# KiCad board keyboard.kicad_pcb
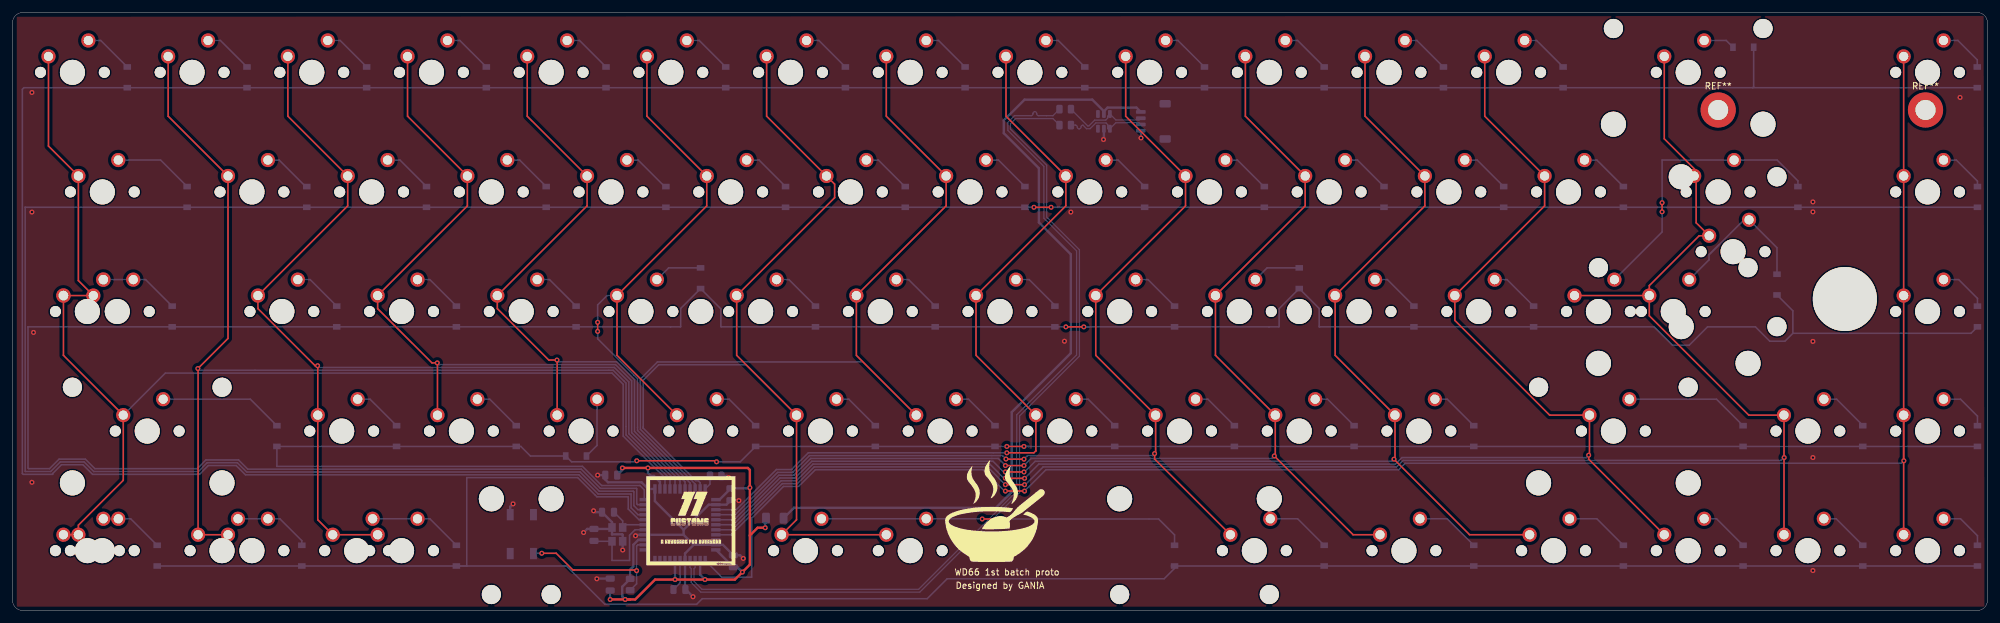
[diagram p0: board, top side]
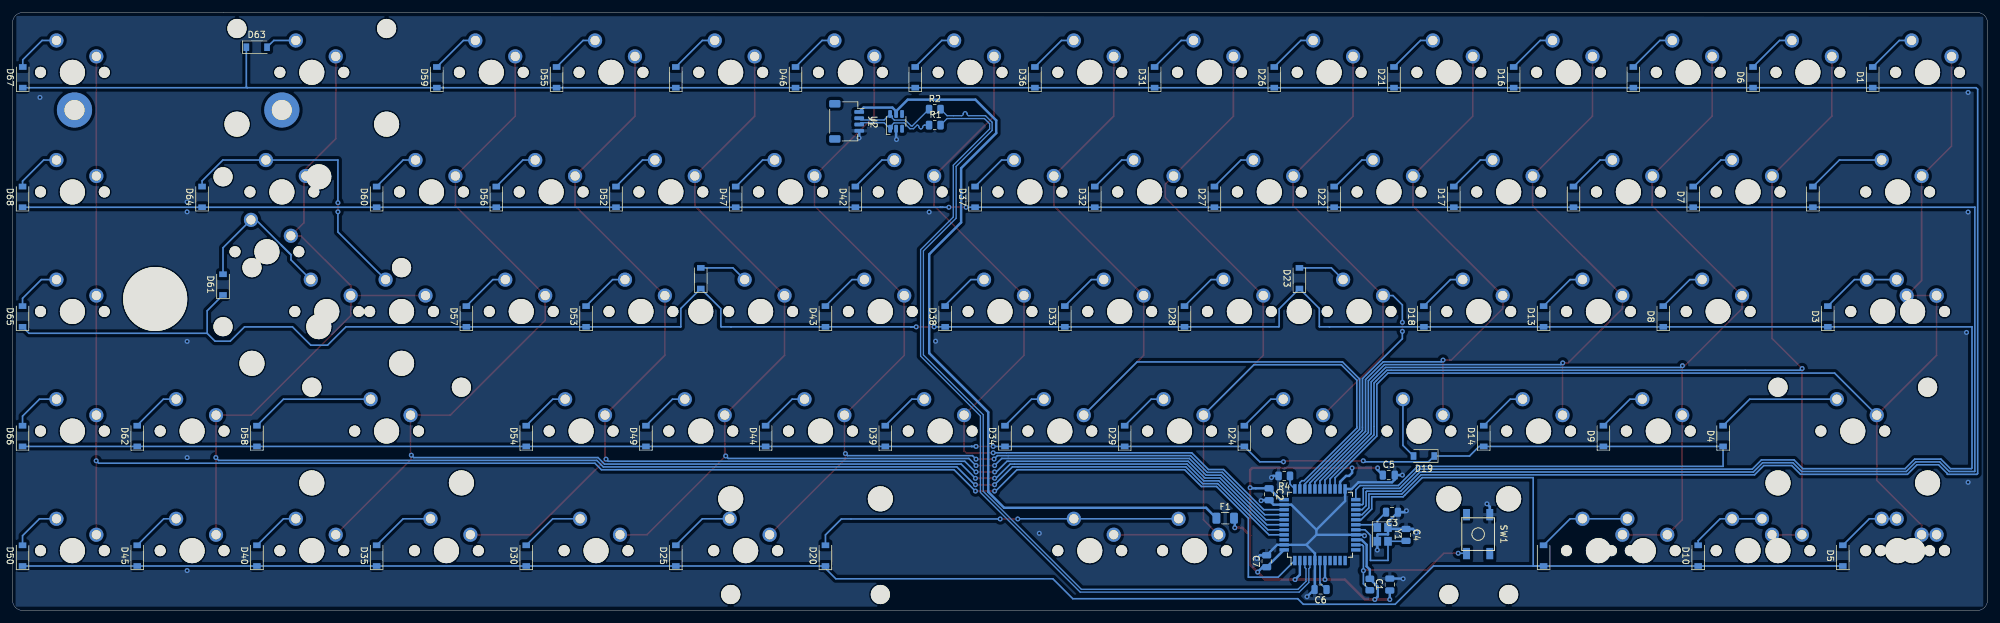
[diagram p1: board, bottom side, seen from below]

Outline 314.32 x 95.25 mm; copper layers: Top, Bottom. Coordinates in mm from the lower left corner of the outline.
Outline path: 0,93.66 arc(0.46,94.79) 1.59,95.25 280.69,95.25 312.74,95.25 arc(313.86,94.79) 314.32,93.66 314.32,1.59 arc(313.86,0.46) 312.74,0 1.59,0 arc(0.46,0.46) 0,1.59 0,93.66
Stack: Top 0.035mm / dielectric 1.51mm FR4 er 4.5 / Bottom 0.035mm

## Placement (name value [footprint] x y rotation side)
C1  0.1uF  [C_0805_2012Metric]  95.12 4.13 90 bottom
C2  0.1uF  [C_0805_2012Metric]  114.33 18.51 270 bottom
C3  22pF  [C_0805_2012Metric]  94.77 15.65 0 bottom
C4  22pF  [C_0805_2012Metric]  92.54 12.03 270 bottom
C5  0.1uF  [C_0805_2012Metric]  95.28 21.56 180 bottom
C6  1uf  [C_0805_2012Metric]  106.14 3.33 0 bottom
C7  10uF  [C_0805_2012Metric]  114.72 7.84 90 bottom
D1  D_Small  [D_SOD-123]  18.26 84.93 90 bottom
D2  D_Small  [D_SOD-123]  27.78 65.88 90 bottom
D3  D_Small  [D_SOD-123]  25.4 46.83 90 bottom
D4  D_Small  [D_SOD-123]  42.07 27.78 90 bottom
D5  D_Small  [D_SOD-123]  23.02 8.73 90 bottom
D6  D_Small  [D_SOD-123]  37.31 84.93 90 bottom
D7  D_Small  [D_SOD-123]  46.83 65.88 90 bottom
D8  D_Small  [D_SOD-123]  51.59 46.83 90 bottom
D9  D_Small  [D_SOD-123]  61.12 27.78 90 bottom
D10  D_Small  [D_SOD-123]  46.04 8.73 90 bottom
D11  D_Small  [D_SOD-123]  56.36 84.93 90 bottom
D12  D_Small  [D_SOD-123]  65.88 65.88 90 bottom
D13  D_Small  [D_SOD-123]  70.64 46.83 90 bottom
D14  D_Small  [D_SOD-123]  80.17 27.78 90 bottom
D15  D_Small  [D_SOD-123]  70.64 8.73 90 bottom
D16  D_Small  [D_SOD-123]  75.41 84.93 90 bottom
D17  D_Small  [D_SOD-123]  84.93 65.88 90 bottom
D18  D_Small  [D_SOD-123]  89.69 46.83 90 bottom
D19  D_Small  [D_SOD-123]  89.69 24.61 0 bottom
D20  D_Small  [D_SOD-123]  184.94 8.73 90 bottom
D21  D_Small  [D_SOD-123]  94.46 84.93 90 bottom
D22  D_Small  [D_SOD-123]  103.98 65.88 90 bottom
D23  D_Small  [D_SOD-123]  109.51 52.93 90 bottom
D24  D_Small  [D_SOD-123]  118.27 27.78 90 bottom
D25  D_Small  [D_SOD-123]  208.76 8.73 90 bottom
D26  D_Small  [D_SOD-123]  113.51 84.93 90 bottom
D27  D_Small  [D_SOD-123]  123.03 65.88 90 bottom
D28  D_Small  [D_SOD-123]  127.79 46.83 90 bottom
D29  D_Small  [D_SOD-123]  137.32 27.78 90 bottom
D30  D_Small  [D_SOD-123]  232.57 8.73 90 bottom
D31  D_Small  [D_SOD-123]  132.56 84.93 90 bottom
D32  D_Small  [D_SOD-123]  142.08 65.88 90 bottom
D33  D_Small  [D_SOD-123]  146.84 46.83 90 bottom
D34  D_Small  [D_SOD-123]  156.37 27.78 90 bottom
D35  D_Small  [D_SOD-123]  256.38 8.73 90 bottom
D36  D_Small  [D_SOD-123]  151.61 84.93 90 bottom
D37  D_Small  [D_SOD-123]  161.13 65.88 90 bottom
D38  D_Small  [D_SOD-123]  165.89 46.83 90 bottom
D39  D_Small  [D_SOD-123]  175.42 27.78 90 bottom
D40  D_Small  [D_SOD-123]  275.43 8.73 90 bottom
D41  D_Small  [D_SOD-123]  170.66 84.93 90 bottom
D42  D_Small  [D_SOD-123]  180.18 65.88 90 bottom
D43  D_Small  [D_SOD-123]  184.94 46.83 90 bottom
D44  D_Small  [D_SOD-123]  194.47 27.78 90 bottom
D45  D_Small  [D_SOD-123]  294.48 8.73 90 bottom
D46  D_Small  [D_SOD-123]  189.71 84.93 90 bottom
D47  D_Small  [D_SOD-123]  199.23 65.88 90 bottom
D48  D_Small  [D_SOD-123]  204.79 52.93 90 bottom
D49  D_Small  [D_SOD-123]  213.52 27.78 90 bottom
D50  D_Small  [D_SOD-123]  312.74 8.73 90 bottom
D51  D_Small  [D_SOD-123]  208.76 84.93 90 bottom
D52  D_Small  [D_SOD-123]  218.28 65.88 90 bottom
D53  D_Small  [D_SOD-123]  223.04 46.83 90 bottom
D54  D_Small  [D_SOD-123]  232.57 27.78 90 bottom
D55  D_Small  [D_SOD-123]  227.74 84.93 90 bottom
D56  D_Small  [D_SOD-123]  237.33 65.88 90 bottom
D57  D_Small  [D_SOD-123]  242.09 46.83 90 bottom
D58  D_Small  [D_SOD-123]  275.43 27.78 90 bottom
D59  D_Small  [D_SOD-123]  246.79 84.93 90 bottom
D60  D_Small  [D_SOD-123]  256.38 65.88 90 bottom
D61  D_Small  [D_SOD-123]  280.83 51.91 90 bottom
D62  D_Small  [D_SOD-123]  294.48 27.78 90 bottom
D63  D_Small  [D_SOD-123]  275.47 89.73 180 bottom
D64  D_Small  [D_SOD-123]  284.16 65.88 90 bottom
D65  D_Small  [D_SOD-123]  312.74 46.83 90 bottom
D66  D_Small  [D_SOD-123]  312.74 27.78 90 bottom
D67  D_Small  [D_SOD-123]  312.71 84.93 90 bottom
D68  D_Small  [D_SOD-123]  312.74 65.88 90 bottom
F1  500mA  [Fuse_1206_3216Metric]  121.32 14.7 180 bottom
G***  -  [LOGO]  156.37 15.88 0 top
G***#2  -  [LOGO]  107.95 14.29 0 top
J1  JST SH 4-pin  [JST_SH_SM04B-SRSS-TB_1x04-1MP_P1.00mm_Horizontal]  181.58 77.92 270 bottom
MX1  MX-NoLED  [MXOnly-1U-NoLED]  9.53 85.72 0 top
MX2  MX-NoLED  [MXOnly-1.5U-NoLED]  14.29 66.68 0 top
MX3  MX-NoLED  [MXOnly-1.75U-NoLED]  16.67 47.62 0 top
MX4  MX-NoLED  [MXOnly-2.25U-NoLED]  21.43 28.57 0 top
MX5  MX-NoLED  [MXOnly-1.25U-NoLED]  11.91 9.52 0 top
MX6  MX-NoLED  [MXOnly-1U-NoLED]  28.58 85.72 0 top
MX7  MX-NoLED  [MXOnly-1U-NoLED]  38.1 66.68 0 top
MX8  MX-NoLED  [MXOnly-1U-NoLED]  42.86 47.62 0 top
MX9  MX-NoLED  [MXOnly-1U-NoLED]  52.39 28.57 0 top
MX10  MX-NoLED  [MXOnly-1U-NoLED]  33.34 9.52 0 top
MX11  MX-NoLED  [MXOnly-1U-NoLED]  47.62 85.72 0 top
MX12  MX-NoLED  [MXOnly-1U-NoLED]  57.15 66.68 0 top
MX13  MX-NoLED  [MXOnly-1U-NoLED]  61.91 47.62 0 top
MX14  MX-NoLED  [MXOnly-1U-NoLED]  71.44 28.57 0 top
MX15  MX-NoLED  [MXOnly-1.25U-NoLED]  54.77 9.52 0 top
MX16  MX-NoLED  [MXOnly-1U-NoLED]  66.67 85.72 0 top
MX17  MX-NoLED  [MXOnly-1U-NoLED]  76.2 66.68 0 top
MX18  MX-NoLED  [MXOnly-1U-NoLED]  80.96 47.62 0 top
MX19  MX-NoLED  [MXOnly-1U-NoLED]  90.49 28.57 0 top
MX20  MX-NoLED  [MXOnly-6.25U-ReversedStabilizers-NoLED]  126.21 9.52 0 top
MX21  MX-NoLED  [MXOnly-1U-NoLED]  85.72 85.72 0 top
MX22  MX-NoLED  [MXOnly-1U-NoLED]  95.25 66.68 0 top
MX23  MX-NoLED  [MXOnly-1U-NoLED]  100.01 47.62 0 top
MX24  MX-NoLED  [MXOnly-1U-NoLED]  109.54 28.57 0 top
MX25  MX-NoLED  [MXOnly-1.25U-NoLED]  197.64 9.52 0 top
MX26  MX-NoLED  [MXOnly-1U-NoLED]  104.78 85.72 0 top
MX27  MX-NoLED  [MXOnly-1U-NoLED]  114.3 66.68 0 top
MX28  MX-NoLED  [MXOnly-1U-NoLED]  119.06 47.62 0 top
MX29  MX-NoLED  [MXOnly-1U-NoLED]  128.59 28.57 0 top
MX30  MX-NoLED  [MXOnly-1.25U-NoLED]  221.46 9.52 0 top
MX31  MX-NoLED  [MXOnly-1U-NoLED]  123.82 85.72 0 top
MX32  MX-NoLED  [MXOnly-1U-NoLED]  133.35 66.68 0 top
MX33  MX-NoLED  [MXOnly-1U-NoLED]  138.11 47.62 0 top
MX34  MX-NoLED  [MXOnly-1U-NoLED]  147.64 28.57 0 top
MX35  MX-NoLED  [MXOnly-1.25U-NoLED]  245.27 9.52 0 top
MX36  MX-NoLED  [MXOnly-1U-NoLED]  142.88 85.72 0 top
MX37  MX-NoLED  [MXOnly-1U-NoLED]  152.4 66.68 0 top
MX38  MX-NoLED  [MXOnly-1U-NoLED]  157.16 47.62 0 top
MX39  MX-NoLED  [MXOnly-1U-NoLED]  166.69 28.57 0 top
MX40  MX-NoLED  [MXOnly-1U-NoLED]  266.7 9.52 0 top
MX41  MX-NoLED  [MXOnly-1U-NoLED]  161.93 85.72 0 top
MX42  MX-NoLED  [MXOnly-1U-NoLED]  171.45 66.68 0 top
MX43  MX-NoLED  [MXOnly-1U-NoLED]  176.21 47.62 0 top
MX44  MX-NoLED  [MXOnly-1U-NoLED]  185.74 28.57 0 top
MX45  MX-NoLED  [MXOnly-1U-NoLED]  285.75 9.52 0 top
MX46  MX-NoLED  [MXOnly-1U-NoLED]  180.97 85.72 0 top
MX47  MX-NoLED  [MXOnly-1U-NoLED]  190.5 66.68 0 top
MX48  MX-NoLED  [MXOnly-1U-NoLED]  195.26 47.62 0 top
MX49  MX-NoLED  [MXOnly-1U-NoLED]  204.79 28.57 0 top
MX50  MX-NoLED  [MXOnly-1U-NoLED]  304.8 9.52 0 top
MX51  MX-NoLED  [MXOnly-1U-NoLED]  200.02 85.72 0 top
MX52  MX-NoLED  [MXOnly-1U-NoLED]  209.55 66.68 0 top
MX53  MX-NoLED  [MXOnly-1U-NoLED]  214.31 47.62 0 top
MX54  MX-NoLED  [MXOnly-1U-NoLED]  223.84 28.57 0 top
MX55  MX-NoLED  [MXOnly-1U-NoLED]  219.07 85.72 0 top
MX56  MX-NoLED  [MXOnly-1U-NoLED]  228.6 66.68 0 top
MX57  MX-NoLED  [MXOnly-1U-NoLED]  233.36 47.62 0 top
MX58  MX-NoLED  [MXOnly-2.25U-NoLED]  254.79 28.57 0 top
MX59  MX-NoLED  [MXOnly-1U-NoLED]  238.12 85.72 0 top
MX60  MX-NoLED  [MXOnly-1U-NoLED]  247.65 66.68 0 top
MX61  MX-NoLED  [MXOnly-2.25U-NoLED]  264.32 47.62 0 top
MX62  MX-NoLED  [MXOnly-1U-NoLED]  285.75 28.57 0 top
MX63  MX-NoLED  [MXOnly-2U-NoLED]  266.7 85.72 0 top
MX64  MX-NoLED  [MXOnly-1.5U-NoLED]  271.46 66.68 0 top
MX65  MX-NoLED  [MXOnly-1U-NoLED]  304.8 47.62 0 top
MX66  MX-NoLED  [MXOnly-1U-NoLED]  304.8 28.57 0 top
MX67  MX-NoLED  [MXOnly-1U-NoLED]  304.8 85.72 0 top
MX68  MX-NoLED  [MXOnly-1U-NoLED]  304.8 66.68 0 top
MX69  MX-NoLED  [MXOnly-1.5U-NoLED]  14.29 9.52 0 top
MX70  MX-NoLED  [MXOnly-1U-NoLED]  38.1 9.52 0 top
MX71  MX-NoLED  [MXOnly-1.5U-NoLED]  61.91 9.52 0 top
MX72  MX-NoLED  [MXOnly-7U-ReversedStabilizers-NoLED]  142.88 9.52 0 top
MX73  MX-NoLED  [SW_MX_1.75u_stp]  11.91 47.62 0 top
MX74  MX-NoLED  [MXOnly-ISO-ReversedStabilizers-NoLED]  273.84 57.15 0 top
MX75  MX-NoLED  [MXOnly-1U-NoLED]  252.41 47.62 0 top
NOREF  -  [unnamed]  109.54 47.62 0 top
NOREF#2  -  [unnamed#2]  291.63 49.61 0 top
NOREF#3  -  [unnamed]  204.79 47.62 0 top
R1  22  [R_0805_2012Metric]  167.54 77.32 180 bottom
R2  22  [R_0805_2012Metric]  167.54 79.86 180 bottom
R3  10k  [R_0805_2012Metric]  98.3 4.13 270 bottom
R4  10k  [R_0805_2012Metric]  111.92 21.43 0 bottom
REF**  -  [MountingHole_3.2mm_M3_DIN965_Pad_TopBottom]  304.47 79.73 0 top
REF**#2  -  [MountingHole_3.2mm_M3_DIN965_Pad_TopBottom]  271.47 79.73 0 top
SW1  SW_Push  [SKQG-1155865]  81.06 12.16 90 bottom
U1  ATmega32U4-A  [TQFP-44_10x10mm_P0.8mm]  106.24 13.65 90 bottom
U2  SRV05-4  [SOT-23-6-routable]  173.7 77.92 90 bottom
Y1  16MHz  [Crystal_SMD_3225-4Pin_3.2x2.5mm]  96.26 12.12 270 bottom

## Library data of the parts
J1 = -: LCSC Part #: C160404
U2 = -: LCSC Part #: C85364

## Footprints (pads in the part's own frame, mm; a bottom-side part is the same pattern mirrored in y, then rotated)
C_0805_2012Metric
  rrect 1x1.45 smd: 1(-0.95,0) 2(0.95,0)
Crystal_SMD_3225-4Pin_3.2x2.5mm
  rect 1.4x1.2 smd: 1(-1.1,-0.85) 2(1.1,-0.85) 3(1.1,0.85) 4(-1.1,0.85)
D_SOD-123
  rect 0.9x1.2 smd: 1(-1.65,0) 2(1.65,0)
Fuse_1206_3216Metric
  rrect 1.25x1.75 smd: 1(-1.4,0) 2(1.4,0)
JST_SH_SM04B-SRSS-TB_1x04-1MP_P1.00mm_Horizontal
  rrect 0.6x1.55 smd: 1(-1.5,2) 2(-0.5,2) 3(0.5,2) 4(1.5,2)
  rrect 1.2x1.8 smd: MP(-2.8,-1.875) MP(2.8,-1.875)
MountingHole_3.2mm_M3_DIN965_Pad_TopBottom
  round 3.6 hole 3.2: 1(0,0)
  round 5.6 smd: 1(0,0)
  round 5.6 smd far side: 1(0,0)
MXOnly-1.5U-NoLED
  round 1.75 hole 1.75 unplated: (-5.08,0) (5.08,0)
  round 3.988 hole 3.988 unplated: (0,0)
  round 2.25 hole 1.47: 1(-3.81,2.54) 2(2.54,5.08)
MXOnly-1.25U-NoLED
  round 1.75 hole 1.75 unplated: (-5.08,0) (5.08,0)
  round 3.988 hole 3.988 unplated: (0,0)
  round 2.25 hole 1.47: 1(-3.81,2.54) 2(2.54,5.08)
MXOnly-1.75U-NoLED
  round 1.75 hole 1.75 unplated: (-5.08,0) (5.08,0)
  round 3.988 hole 3.988 unplated: (0,0)
  round 2.25 hole 1.47: 1(-3.81,2.54) 2(2.54,5.08)
MXOnly-1U-NoLED
  round 1.75 hole 1.75 unplated: (-5.08,0) (5.08,0)
  round 3.988 hole 3.988 unplated: (0,0)
  round 2.25 hole 1.47: 1(-3.81,2.54) 2(2.54,5.08)
MXOnly-2.25U-NoLED
  round 3.048 hole 3.048 unplated: (-11.906,6.985) (11.906,6.985)
  round 3.988 hole 3.988 unplated: (-11.906,-8.255) (0,0) (11.906,-8.255)
  round 1.75 hole 1.75 unplated: (-5.08,0) (5.08,0)
  round 2.25 hole 1.47: 1(-3.81,2.54) 2(2.54,5.08)
MXOnly-2U-NoLED
  round 3.048 hole 3.048 unplated: (-11.906,6.985) (11.906,6.985)
  round 3.988 hole 3.988 unplated: (-11.906,-8.255) (0,0) (11.906,-8.255)
  round 1.75 hole 1.75 unplated: (-5.08,0) (5.08,0)
  round 2.25 hole 1.47: 1(-3.81,2.54) 2(2.54,5.08)
MXOnly-6.25U-ReversedStabilizers-NoLED
  round 3.988 hole 3.988 unplated: (-50,8.255) (0,0) (50,8.255)
  round 3.048 hole 3.048 unplated: (-50,-6.985) (50,-6.985)
  round 1.75 hole 1.75 unplated: (-5.08,0) (5.08,0)
  round 2.25 hole 1.47: 1(-3.81,2.54) 2(2.54,5.08)
MXOnly-7U-ReversedStabilizers-NoLED
  round 3.988 hole 3.988 unplated: (-57.15,8.255) (0,0) (57.15,8.255)
  round 3.048 hole 3.048 unplated: (-57.15,-6.985) (57.15,-6.985)
  round 1.75 hole 1.75 unplated: (-5.08,0) (5.08,0)
  round 2.25 hole 1.47: 1(-3.81,2.54) 2(2.54,5.08)
MXOnly-ISO-ReversedStabilizers-NoLED
  round 3.988 hole 3.988 unplated: (-8.255,11.938) (-8.255,-11.938) (0,0)
  round 1.75 hole 1.75 unplated: (-5.08,0) (5.08,0)
  round 3.048 hole 3.048 unplated: (6.985,11.938) (6.985,-11.938)
  round 2.25 hole 1.47: 1(-3.81,2.54) 2(2.54,5.08)
R_0805_2012Metric
  rrect 1.025x1.4 smd: 1(-0.912,0) 2(0.912,0)
SKQG-1155865
  rect 1.8x1.1 smd: 1(3.1,-1.85) 2(-3.1,1.85) 3(3.1,1.85) 4(-3.1,-1.85)
SOT-23-6-routable
  rrect 1.25x0.6 smd: 1(-1.175,0.95) 2(-1.175,0) 3(-1.175,-0.95) 4(1.175,-0.95) 5(1.175,0) 6(1.175,0.95)
SW_MX_1.75u_stp
  round 1.75 hole 1.75 unplated: (-5.08,0) (5.08,0)
  round 3.988 hole 3.988 unplated: (0,0)
  round 2.3 hole 1.524: 1(-3.81,2.54) 2(2.54,5.08)
TQFP-44_10x10mm_P0.8mm
  rect 1.5x0.55 smd: 1(-5.7,4) 2(-5.7,3.2) 3(-5.7,2.4) 4(-5.7,1.6) 5(-5.7,0.8) 6(-5.7,0) 7(-5.7,-0.8) 8(-5.7,-1.6) 9(-5.7,-2.4) 10(-5.7,-3.2) 11(-5.7,-4) 23(5.7,-4) 24(5.7,-3.2) 25(5.7,-2.4) 26(5.7,-1.6) 27(5.7,-0.8) 28(5.7,0) 29(5.7,0.8) 30(5.7,1.6) 31(5.7,2.4) 32(5.7,3.2) 33(5.7,4)
  rect 0.55x1.5 smd: 12(-4,-5.7) 13(-3.2,-5.7) 14(-2.4,-5.7) 15(-1.6,-5.7) 16(-0.8,-5.7) 17(0,-5.7) 18(0.8,-5.7) 19(1.6,-5.7) 20(2.4,-5.7) 21(3.2,-5.7) 22(4,-5.7) 34(4,5.7) 35(3.2,5.7) 36(2.4,5.7) 37(1.6,5.7) 38(0.8,5.7) 39(0,5.7) 40(-0.8,5.7) 41(-1.6,5.7) 42(-2.4,5.7) 43(-3.2,5.7) 44(-4,5.7)
unnamed
  round 3.988 hole 3.988 unplated: (0,0)
unnamed#2
  round 10.2 hole 10.2 unplated: (0,0)

## Nets
+5V: C1.1 C2.1 C5.1 C7.1 F1.2 R3.1 U1.2 U1.7 U1.14 U1.24 U1.34 U1.44
GND: C1.2 C2.2 C3.1 C4.1 C5.2 C6.2 C7.2 J1.4 R4.2 SW1.1 U1.5 U1.15 U1.23 U1.35 U1.43 U2.2 Y1.2 Y1.4
VBUS: F1.1 J1.1 U2.5
COL0: MX1.1 MX2.1 MX3.1 MX4.1 MX5.1 MX69.1 MX73.1 U1.25
COL1: MX6.1 MX7.1 MX10.1 MX70.1 U1.26
COL2: MX8.1 MX9.1 MX11.1 MX12.1 MX15.1 MX71.1 U1.27
COL3: MX13.1 MX14.1 MX16.1 MX17.1 U1.28
COL4: MX18.1 MX19.1 MX21.1 MX22.1 U1.29
COL5: MX23.1 MX24.1 MX26.1 MX27.1 U1.30
COL6: MX20.1 MX28.1 MX29.1 MX31.1 MX32.1 MX72.1 U1.32
COL7: MX33.1 MX34.1 MX36.1 MX37.1 U1.31
COL8: MX38.1 MX39.1 MX41.1 MX42.1 U1.36
COL9: MX25.1 MX43.1 MX44.1 MX46.1 MX47.1 U1.37
COL10: MX30.1 MX48.1 MX49.1 MX51.1 MX52.1 U1.38
COL11: MX35.1 MX53.1 MX54.1 MX55.1 MX56.1 U1.39
COL12: MX40.1 MX57.1 MX58.1 MX59.1 MX60.1 U1.40
COL13: MX45.1 MX61.1 MX62.1 MX63.1 MX64.1 MX74.1 MX75.1 U1.41
COL14: MX50.1 MX65.1 MX66.1 MX67.1 MX68.1 U1.1
D+: J1.3 R1.1 R1.2 U1.4 U2.1
D-: J1.2 R2.1 R2.2 U1.3 U2.6
ROW0: D1.1 D6.1 D11.1 D16.1 D21.1 D26.1 D31.1 D36.1 D41.1 D46.1 D51.1 D55.1 D59.1 D63.1 D67.1 U1.19
ROW1: D2.1 D7.1 D12.1 D17.1 D22.1 D27.1 D32.1 D37.1 D42.1 D47.1 D52.1 D56.1 D60.1 D64.1 D68.1 U1.20
ROW2: D3.1 D8.1 D13.1 D18.1 D23.1 D28.1 D33.1 D38.1 D43.1 D48.1 D53.1 D57.1 D61.1 D65.1 U1.21
ROW3: D4.1 D9.1 D14.1 D19.1 D24.1 D29.1 D34.1 D39.1 D44.1 D49.1 D54.1 D58.1 D62.1 D66.1 U1.22
ROW4: D5.1 D10.1 D15.1 D20.1 D25.1 D30.1 D35.1 D40.1 D45.1 D50.1 U1.18
Net-(D1-A): D1.2 MX1.2
Net-(D2-A): D2.2 MX2.2
Net-(D3-A): D3.2 MX3.2 MX73.2
Net-(D4-A): D4.2 MX4.2
Net-(D5-A): D5.2 MX5.2 MX69.2
Net-(D6-A): D6.2 MX6.2
Net-(D7-A): D7.2 MX7.2
Net-(D8-A): D8.2 MX8.2
Net-(D9-A): D9.2 MX9.2
Net-(D10-A): D10.2 MX10.2 MX70.2
Net-(D11-A): D11.2 MX11.2
Net-(D12-A): D12.2 MX12.2
Net-(D13-A): D13.2 MX13.2
Net-(D14-A): D14.2 MX14.2
Net-(D15-A): D15.2 MX15.2 MX71.2
Net-(D16-A): D16.2 MX16.2
Net-(D17-A): D17.2 MX17.2
Net-(D18-A): D18.2 MX18.2
Net-(D19-A): D19.2 MX19.2
Net-(D20-A): D20.2 MX20.2 MX72.2
Net-(D21-A): D21.2 MX21.2
Net-(D22-A): D22.2 MX22.2
Net-(D23-A): D23.2 MX23.2
Net-(D24-A): D24.2 MX24.2
Net-(D25-A): D25.2 MX25.2
Net-(D26-A): D26.2 MX26.2
Net-(D27-A): D27.2 MX27.2
Net-(D28-A): D28.2 MX28.2
Net-(D29-A): D29.2 MX29.2
Net-(D30-A): D30.2 MX30.2
Net-(D31-A): D31.2 MX31.2
Net-(D32-A): D32.2 MX32.2
Net-(D33-A): D33.2 MX33.2
Net-(D34-A): D34.2 MX34.2
Net-(D35-A): D35.2 MX35.2
Net-(D36-A): D36.2 MX36.2
Net-(D37-A): D37.2 MX37.2
Net-(D38-A): D38.2 MX38.2
Net-(D39-A): D39.2 MX39.2
Net-(D40-A): D40.2 MX40.2
Net-(D41-A): D41.2 MX41.2
Net-(D42-A): D42.2 MX42.2
Net-(D43-A): D43.2 MX43.2
Net-(D44-A): D44.2 MX44.2
Net-(D45-A): D45.2 MX45.2
Net-(D46-A): D46.2 MX46.2
Net-(D47-A): D47.2 MX47.2
Net-(D48-A): D48.2 MX48.2
Net-(D49-A): D49.2 MX49.2
Net-(D50-A): D50.2 MX50.2
Net-(D51-A): D51.2 MX51.2
Net-(D52-A): D52.2 MX52.2
Net-(D53-A): D53.2 MX53.2
Net-(D54-A): D54.2 MX54.2
Net-(D55-A): D55.2 MX55.2
Net-(D56-A): D56.2 MX56.2
Net-(D57-A): D57.2 MX57.2
Net-(D58-A): D58.2 MX58.2
Net-(D59-A): D59.2 MX59.2
Net-(D60-A): D60.2 MX60.2
Net-(D61-A): D61.2 MX61.2 MX74.2
Net-(D62-A): D62.2 MX62.2
Net-(D63-A): D63.2 MX63.2
Net-(D64-A): D64.2 MX64.2 MX75.2
Net-(D65-A): D65.2 MX65.2
Net-(D66-A): D66.2 MX66.2
Net-(D67-A): D67.2 MX67.2
Net-(D68-A): D68.2 MX68.2
Net-(U1-UCAP): C6.1 U1.6
Net-(U1-XTAL1): C3.2 U1.17 Y1.1
Net-(U1-XTAL2): C4.2 U1.16 Y1.3
Net-(U1-~{HWB}/PE2): R4.1 U1.33
Net-(U1-~{RESET}): R3.2 SW1.2 U1.13

Pads without a net: J1 MP; REF** 1; REF**#2 1; SW1 3 4; U1 8 9 10 11 12 42; U2 3 4

## Via types
v1: diameter 0.8, hole 0.4, Top to Bottom, 74 vias

## Routing (per net, layer and track width the routed paths; a pad name or vN(x,y) marks a point on that pad's centre or on a via; arc(x,y) is an arc through that point)
+5V: length 102.7
  Top w0.38: 117.35,11.94 v1(117.35,19.56) 117.35,22.38 117.03,22.7 v1(101.12,22.7) v1(97.06,22.7) ; 117.35,11.94 117.35,7.3 114.97,4.92 v1(110.2,4.92) v1(105.44,4.92) 102.27,4.92 99.09,1.75 98.3,1.75 ; 117.35,11.94 118.59,13.18 v1(119.79,13.18) ; 98.3,1.75 v1(95.12,1.75) ; 98.3,1.75 v1(97.5,1.75)
  Bottom w0.38: U1.14 99.6,11.25 98.81,10.46 98.81,7.02 98.3,6.51 R3.1 97.03,3.77 97.03,2.22 v1(97.5,1.75) ; v1(119.79,13.18) 119.79,14.58 F1.2 ; U1.44 111.96,9.65 C7.1 115.38,6.89 v1(116.16,6.11) ; U1.24 103.04,20.48 102.09,21.43 101.6,21.43 101.12,21.91 v1(101.12,22.7) ; C1.1 v1(95.12,1.75) ; v1(97.06,22.7) 97.06,22.39 96.23,21.56 ; v1(117.35,19.56) 117.25,19.46 C2.1 112.52,17.65 U1.34 ; U1.2 109.44,5.69 v1(110.2,4.92) ; v1(105.44,4.92) 105.44,4.93 U1.7
GND: length 82.1
  Bottom w0.38: U1.5 107.04,9.08 108.41,10.45 ; U1.5 107.04,8.15 107.03,8.16 ; U1.5 107.04,3.39 C6.2 107.16,3.33 v1(108.3,2.19) ; v1(179.61,75.27) 179.58,75.31 J1.4 ; Y1.2 97.11,12.04 97.02,12.13 95.42,12.13 95.41,12.14 Y1.4 ; Y1.2 97.46,11.37 ; Y1.2 v1(97.11,9.62) ; Y1.4 95.17,12.98 C4.1 91.45,12.98 v1(90.89,12.41) ; Y1.4 95.41,14.06 C3.1 92.7,15.65 v1(92.48,15.88) ; v1(93.12,21.56) C5.2 94.33,20.86 94.77,20.42 100.11,20.42 101.17,19.35 U1.23 102.24,17.42 106.81,12.85 ; v1(173.64,75.03) 173.7,75.09 U2.2 ; 108.41,10.45 106.81,12.05 ; 108.41,10.45 U1.43 113.06,10.45 C7.2 115.8,8.79 v1(116.3,8.29) ; v1(115.6,17.49) 115.54,17.56 C2.2 113.62,16.85 U1.35 110.81,16.85 106.81,12.85 ; v1(93,5.05) 93.03,5.08 C1.2 ; 106.81,12.05 106.81,12.85 ; 106.81,12.05 U1.15 99.3,12.05 v1(99.15,11.9) ; SW1.1 79.21,16.53 v1(79.66,16.99) ; v1(113.95,21.18) 113.7,21.43 R4.2
  vias: v1(3.08,82.52) v1(3.08,63.47) v1(3.08,20.42) v1(3.33,44.29) v1(150.91,12.29) v1(167.42,42.89) v1(168.43,63.47) v1(286.54,65.09) v1(286.54,63.5) v1(286.54,42.86) v1(286.54,24.35) v1(286.54,6.35) v1(309.97,81.73)
VBUS: length 130.5
  Bottom w0.38: F1.1 124.37,16.35 156.5,16.35 159.04,18.89 159.04,31.59 168.43,40.99 168.43,56.74 163.35,61.82 163.35,70.45 157.77,76.04 157.77,78.07 161.07,81.38 171.86,81.38 173.7,79.53 ; 173.7,79.53 U2.5 ; 173.7,79.53 174.28,80.11 178.89,80.11 J1.1
COL0: length 196.2
  Top w0.25: MX5.1 MX69.1 10.48,13.59 17.62,20.73 MX4.1 8.1,40.64 MX73.1 MX3.1 10.48,52.55 MX2.1 5.72,73.98 MX1.1
  Bottom w0.25: U1.25 103.84,21.13 97.19,27.78 97.19,36.04 95.41,37.81 24.32,37.81 MX4.1 17.12,31.12
COL1: length 176.3
  Top w0.25: MX70.1 MX10.1 29.53,38.51 v1(29.5,38.54) 34.29,43.33 MX7.1 24.77,78.74 MX6.1
  Bottom w0.25: 29.53,12.56 MX10.1 ; U1.26 104.64,20.97 97.64,27.97 97.64,36.22 95.59,38.26 29.77,38.26 v1(29.5,38.54)
COL2: length 169.6
  Top w0.25: MX71.1 MX15.1 48.58,14.45 MX9.1 48.58,38.96 v1(48.55,38.99) 48.15,38.99 39.05,48.09 MX8.1 53.34,64.45 MX12.1 43.81,78.74 MX11.1
  Bottom w0.25: v1(48.55,38.99) 48.82,38.71 95.78,38.71 98.09,36.41 98.09,28.15 105.44,20.8 U1.27 ; MX9.1 48.08,31.12
COL3: length 125.9
  Top w0.25: MX17.1 72.39,64.45 MX13.1 58.1,48.09 66.75,39.44 v1(67.6,39.44) 67.63,39.41 MX14.1 ; MX17.1 71.89,69.21 ; MX17.1 62.86,78.74 MX16.1
  Bottom w0.25: v1(67.6,39.44) 67.87,39.16 95.97,39.16 98.54,36.59 98.54,28.34 106.24,20.64 U1.28 ; 71.28,69.21 MX17.1 ; 57.78,50.16 MX13.1
COL4: length 107.7
  Top w0.25: MX22.1 81.91,78.74 MX21.1 ; MX22.1 90.94,69.21 ; MX22.1 91.44,64.45 MX18.1 77.15,48.09 85.35,39.89 v1(86.65,39.89) 86.68,39.86 MX19.1
  Bottom w0.25: v1(86.65,39.89) 86.92,39.61 96.15,39.61 98.98,36.78 98.98,28.53 107.04,20.48 U1.29 ; 90.33,69.21 MX22.1
COL5: length 110.1
  Top w0.25: MX24.1 96.2,40.64 MX23.1 110.49,64.45 MX27.1 100.97,78.74 MX26.1 ; v1(93.12,44.46) v1(93.12,45.91)
  Bottom w0.25: U1.30 107.84,20.31 99.47,28.67 99.47,36.93 93.12,43.28 v1(93.12,44.46) ; MX23.1 94.61,50.16 93.12,48.68 v1(93.12,45.91)
COL6: length 159.5
  Top w0.25: MX31.1 120.01,78.74 MX32.1 ; MX32.1 130.84,67.91 130.84,65.75 MX28.1 115.25,40.64 MX29.1 124.78,14.45 MX20.1 MX72.1 ; MX32.1 129.04,69.21
  Bottom w0.25: 100.37,29.05 100.37,29.31 ; 100.37,29.05 108.75,20.67 109.12,20.67 109.44,20.35 U1.32 ; 100.37,29.05 100.37,36.68 102.83,39.14 116.75,39.14 MX29.1
COL7: length 142
  Top w0.25: MX37.1 148.59,64.45 MX33.1 134.3,40.64 MX34.1 ; MX37.1 148.09,69.21 ; MX37.1 139.06,78.74 MX36.1
  Bottom w0.25: U1.31 108.64,20.15 99.92,28.86 99.92,36.87 102.65,39.59 135.35,39.59 MX34.1 144.46,30.48
COL8: length 131.5
  Top w0.25: v1(158.25,25.11) 162.55,25.11 162.88,25.44 MX39.1 153.35,40.64 MX38.1 167.64,64.45 MX42.1 158.12,78.74 MX41.1
  Bottom w0.25: U1.36 115.18,16.05 121.58,22.45 123.98,22.45 126.65,25.11 v1(158.25,25.11)
COL9: length 169.9
  Top w0.25: MX46.1 177.16,78.74 MX47.1 ; v1(158.11,24.12) 158.14,24.1 v1(160.98,24.1) ; MX47.1 186.19,69.21 ; MX47.1 186.69,64.45 MX43.1 172.4,40.64 MX44.1 181.93,25.15 v1(181.77,24.99) 181.77,24.13 MX25.1
  Bottom w0.25: U1.37 115.02,15.25 121.77,22 124.17,22 126.84,24.66 157.57,24.66 v1(158.11,24.12) ; v1(160.98,24.1) 161.54,24.66 181.45,24.66 v1(181.77,24.99)
COL10: length 194.3
  Top w0.25: v1(158.02,23.08) v1(160.98,23.08) ; MX52.1 196.22,78.74 MX51.1 ; MX52.1 205.24,69.21 ; MX52.1 205.74,64.45 MX48.1 191.45,40.64 MX49.1 200.98,24.76 v1(200.82,24.61) 213.36,12.06 MX30.1
  Bottom w0.25: v1(160.98,23.08) 160.98,23.08 162.12,24.22 200.43,24.22 v1(200.82,24.61) ; U1.38 114.86,14.45 121.95,21.55 124.36,21.55 127.02,24.22 156.89,24.22 v1(158.02,23.08) ; MX49.1 201.14,30.96
COL11: length 218.3
  Top w0.25: MX35.1 231.9,12.06 v1(219.87,24.1) 220.03,24.26 MX54.1 210.5,40.64 MX53.1 224.79,64.45 MX56.1 215.26,78.74 MX55.1 ; v1(158.02,22.07) v1(160.98,22.07)
  Bottom w0.25: v1(219.87,24.1) 219.54,23.77 162.77,23.77 161.07,22.07 v1(160.98,22.07) ; U1.39 114.69,13.65 122.14,21.1 124.54,21.1 127.21,23.77 156.05,23.77 157.75,22.07 v1(158.02,22.07)
COL12: length 250.4
  Top w0.25: v1(158.02,21.07) 158.04,21.05 v1(161.07,21.05) ; MX60.1 243.34,69.21 ; MX60.1 243.84,64.45 MX57.1 229.55,46.21 244.65,31.12 MX58.1 250.98,24.86 v1(250.86,24.73) 250.86,24.1 MX40.1 ; MX60.1 234.31,78.74 MX59.1
  Bottom w0.25: v1(250.86,24.73) 250.48,24.35 221.15,24.35 220.11,23.32 163.33,23.32 161.07,21.05 v1(161.07,21.05) ; 262.89,12.54 MX40.1 ; v1(158.02,21.07) 157.79,21.07 155.54,23.32 127.4,23.32 124.73,20.65 122.32,20.65 114.53,12.85 U1.40
COL13: length 285.3
  Top w0.25: MX61.1 260.51,46.94 276.34,31.12 MX62.1 281.94,24.38 v1(281.97,24.35) 281.94,24.32 MX45.1 ; MX61.1 260.51,51.76 268.44,59.69 MX74.1 267.96,61.77 267.96,68.91 ; MX61.1 MX75.1 ; 267.96,69.21 267.96,70.07 262.89,75.14 MX63.1 ; v1(158.02,20.03) v1(161.07,20.03)
  Bottom w0.25: v1(281.97,24.35) 281.52,23.9 221.33,23.9 220.3,22.87 164.03,22.87 161.19,20.03 v1(161.07,20.03) ; v1(158.02,20.03) 155.19,22.87 127.58,22.87 124.91,20.2 122.51,20.2 114.36,12.05 U1.41
COL14: length 291.4
  Top w0.25: MX67.1 MX50.1 ; v1(301.02,23.84) 300.99,23.88 MX66.1 ; v1(158.02,19.02) v1(161.07,19.02)
  Bottom w0.25: v1(158.02,19.02) 157.86,19.02 154.46,22.42 127.77,22.42 125.1,19.75 122.7,19.75 117.63,14.69 117.63,5.3 112.89,5.3 U1.1 ; v1(301.02,23.84) 300.63,23.45 221.64,23.45 220.6,22.42 164.48,22.42 161.08,19.02 v1(161.07,19.02)
D+: length 152.6
  Bottom w0.2: J1.3 179.3,77.69 175.6,77.69 U2.1 174.3,76.74 174.3,77.4 174.04,77.67 172.42,77.67 171.49,76.74 170.94,76.74 170.36,77.32 arc(170.15,77.23) 170.06,77.02 arc(169.97,76.81) 169.76,76.72 arc(169.55,76.81) 169.46,77.02 arc(169.37,77.23) 169.16,77.32 R1.1 ; U1.4 107.84,6.83 108.01,6.65 108.01,4.45 109.54,2.92 144.4,2.92 160.28,18.8 160.28,30.99 169.8,40.52 169.8,57.47 164.59,62.67 164.59,70.93 158.81,76.71 158.81,77.53 159.65,78.36 165.58,78.36 R1.2
D-: length 152.6
  Bottom w0.2: R2.2 165.58,78.81 163.3,78.81 arc(163.09,78.9) 163,79.11 163,79.17 arc(162.92,79.38) 162.7,79.47 arc(162.49,79.38) 162.4,79.17 162.4,79.11 arc(162.32,78.9) 162.1,78.81 159.46,78.81 158.41,77.77 158.41,76.47 164.14,70.74 164.14,62.49 169.35,57.28 169.35,40.7 159.83,31.18 159.83,18.98 144.21,3.37 109.73,3.37 108.46,4.63 108.46,6.65 108.64,6.83 U1.3 ; J1.2 179.3,78.14 175.6,78.14 U2.6 174.3,78.74 174.3,78.43 173.99,78.12 172.23,78.12 171.3,77.19 171.12,77.19 R2.1
ROW0: length 484.5
  Bottom w0.25: D63.1 277.12,83.43 276.97,83.28 ; 276.97,83.28 D1.1 1.81,83.28 1.56,83.03 1.56,21.81 1.68,21.69 6.38,21.69 6.38,21.81 7.78,23.21 11.21,23.21 12.73,21.69 29.75,21.69 31.15,23.08 35.59,23.08 37.07,21.61 90.14,21.61 93.2,18.55 98.45,18.55 98.45,16.34 99.54,15.25 U1.19 ; 276.97,83.28 312.74,83.28
ROW1: length 457.9
  Top w0.25: v1(162.56,64.23) v1(165.29,64.23)
  Bottom w0.25: U1.20 99.54,16.05 98.9,16.69 98.9,18.89 98.79,19 93.38,19 90.33,22.06 37.25,22.06 35.78,23.53 30.96,23.53 29.56,22.13 12.92,22.13 11.39,23.66 7.59,23.66 6.07,22.13 2.06,22.13 2.01,22.19 2.01,64.23 2.01,64.23 D2.1 D37.1 162.56,64.23 v1(162.56,64.23) ; v1(165.29,64.23) 166.65,64.23 166.65,64.23 ; 166.65,64.23 166.28,64.23 166.27,64.23 ; 166.65,64.23 D68.1
ROW2: length 466.3
  Top w0.25: v1(167.64,45.18) v1(170.5,45.18)
  Bottom w0.25: U1.21 99.48,16.85 99.35,16.99 99.35,19.4 99.29,19.45 93.57,19.45 90.51,22.51 37.44,22.51 35.96,23.98 30.77,23.98 29.38,22.58 13.1,22.58 11.58,24.11 7.41,24.11 5.88,22.58 2.56,22.58 2.45,22.69 2.45,45.18 2.46,45.18 D3.1 D18.1 104.71,45.18 ; 171.35,45.18 170.59,45.18 170.59,45.18 ; 171.35,45.18 D43.1 199.96,45.18 ; 171.35,45.18 171.35,45.18 v1(170.5,45.18) ; 208.02,45.18 D53.1 261.27,45.18 264.19,42.26 266.86,42.26 269.78,45.18 277.4,45.18 279.69,42.89 282.1,42.89 283.36,44.15 ; 208.02,45.18 207.96,45.24 207.96,48.1 D48.1 201.59,48.08 201.59,45.24 201.53,45.18 199.96,45.18 ; 208.02,45.18 207.96,45.18 ; v1(167.64,45.18) 167.64,45.18 D38.1 D28.1 112.8,45.18 112.73,45.24 112.73,48.05 D23.1 106.34,48.11 106.34,45.22 106.3,45.18 104.71,45.18 ; 104.71,45.18 104.78,45.18 ; 283.36,44.15 311.71,44.15 D65.1 ; 283.36,44.15 283.36,47.73 D61.1 ; 199.96,45.18 200.02,45.18
ROW3: length 338.1
  Top w0.25: v1(112.05,23.68) 111.89,23.84 v1(99.35,23.84) ; v1(158.25,26.13) v1(160.98,26.13)
  Bottom w0.25: 161.19,26.13 161.2,26.13 161.7,26.13 ; 161.7,26.13 161.7,26.13 v1(160.98,26.13) ; 161.7,26.13 D66.1 ; v1(112.05,23.68) 115.82,23.68 D24.1 D34.1 158.25,26.13 v1(158.25,26.13) ; v1(99.35,23.84) 99.18,23.68 88.97,23.68 D19.1 82.43,24.61 80.9,26.13 D4.1 42.07,22.96 90.7,22.96 93.76,19.9 99.85,19.9 100.54,19.22 U1.22
ROW4: length 343.4
  Bottom w0.25: 184.44,7.08 D20.1 ; D20.1 184.94,6.7 183.29,5.05 148.75,5.05 145.57,1.87 109.77,1.87 108.89,0.98 94.27,0.98 88.17,7.08 D15.1 ; D20.1 D50.1 ; D15.1 D10.1 D5.1 ; D15.1 72.29,7.08 72.29,7.08 72.29,21.16 89.96,21.16 93.01,18.1 97.98,18.1 98,18.08 98,16.16 99.7,14.45 U1.18
Net-(D1-A): length 7.9
  Bottom w0.25: D1.2 14.03,90.8 MX1.2
Net-(D2-A): length 12.7
  Bottom w0.25: D2.2 23.56,71.75 MX2.2
Net-(D3-A): length 12.7
  Bottom w0.25: MX73.2 MX3.2 21.18,52.7 D3.2
Net-(D4-A): length 19.8
  Bottom w0.25: MX4.2 37.84,33.65 D4.2
Net-(D5-A): length 10.3
  Bottom w0.25: D5.2 18.8,14.6 MX69.2 MX5.2
Net-(D6-A): length 7.9
  Bottom w0.25: D6.2 33.08,90.8 MX6.2
Net-(D7-A): length 7.9
  Bottom w0.25: D7.2 46.64,67.53 42.42,71.75 MX7.2
Net-(D8-A): length 7.9
  Bottom w0.25: D8.2 47.37,52.7 MX8.2
Net-(D9-A): length 7.9
  Bottom w0.25: D9.2 56.89,33.65 MX9.2
Net-(D10-A): length 12.3
  Bottom w0.25: D10.2 46.04,11.11 42.55,14.6 MX70.2 MX10.2
Net-(D11-A): length 7.9
  Bottom w0.25: D11.2 52.13,90.8 MX11.2
Net-(D12-A): length 7.9
  Bottom w0.25: MX12.2 61.66,71.75 D12.2
Net-(D13-A): length 7.9
  Bottom w0.25: MX13.2 66.42,52.7 D13.2
Net-(D14-A): length 7.9
  Bottom w0.25: MX14.2 75.94,33.65 D14.2
Net-(D15-A): length 15.1
  Bottom w0.25: D15.2 66.42,14.6 MX71.2 MX15.2
Net-(D16-A): length 7.9
  Bottom w0.25: D16.2 71.18,90.8 MX16.2
Net-(D17-A): length 7.9
  Bottom w0.25: D17.2 80.71,71.75 MX17.2
Net-(D18-A): length 7.9
  Bottom w0.25: D18.2 85.47,52.7 MX18.2
Net-(D19-A): length 9.7
  Bottom w0.25: MX19.2 93.03,26.29 D19.2
Net-(D20-A): length 58.9
  Top w0.25: v1(157.13,14.57) v1(154.34,14.57)
  Bottom w0.25: D20.2 184.94,12.03 182.4,14.57 v1(157.13,14.57) ; v1(154.34,14.57) 154.31,14.6 MX72.2 MX20.2
Net-(D21-A): length 7.9
  Bottom w0.25: D21.2 90.23,90.8 MX21.2
Net-(D22-A): length 7.9
  Bottom w0.25: MX22.2 99.57,71.75 103.79,67.53 D22.2
Net-(D23-A): length 7.7
  Bottom w0.25: MX23.2 104.42,54.58 D23.2
Net-(D24-A): length 7.9
  Bottom w0.25: D24.2 114.04,33.65 MX24.2
Net-(D25-A): length 10.3
  Bottom w0.25: 200.18,14.6 204.53,14.6 D25.2
Net-(D26-A): length 7.9
  Bottom w0.25: D26.2 109.28,90.8 MX26.2
Net-(D27-A): length 7.9
  Bottom w0.25: D27.2 118.81,71.75 MX27.2
Net-(D28-A): length 7.9
  Bottom w0.25: MX28.2 123.57,52.7 D28.2
Net-(D29-A): length 7.9
  Bottom w0.25: MX29.2 133.09,33.65 D29.2
Net-(D30-A): length 10.3
  Bottom w0.25: MX30.2 228.35,14.6 D30.2
Net-(D31-A): length 7.9
  Bottom w0.25: D31.2 128.33,90.8 MX31.2
Net-(D32-A): length 7.9
  Bottom w0.25: D32.2 142.02,67.53 137.79,71.75 MX32.2
Net-(D33-A): length 7.9
  Bottom w0.25: D33.2 142.62,52.7 MX33.2
Net-(D34-A): length 7.9
  Bottom w0.25: MX34.2 152.15,33.65 D34.2
Net-(D35-A): length 10.3
  Bottom w0.25: MX35.2 252.16,14.6 D35.2
Net-(D36-A): length 7.9
  Bottom w0.25: MX36.2 147.38,90.8 D36.2
Net-(D37-A): length 7.9
  Bottom w0.25: D37.2 156.91,71.75 MX37.2
Net-(D38-A): length 8
  Bottom w0.25: D38.2 165.89,48.61 161.8,52.7 MX38.2
Net-(D39-A): length 7.9
  Bottom w0.25: MX39.2 171.19,33.65 D39.2
Net-(D40-A): length 7.9
  Bottom w0.25: D40.2 271.21,14.6 MX40.2
Net-(D41-A): length 7.9
  Bottom w0.25: D41.2 166.43,90.8 MX41.2
Net-(D42-A): length 7.9
  Bottom w0.25: D42.2 175.96,71.75 MX42.2
Net-(D43-A): length 7.9
  Bottom w0.25: D43.2 180.72,52.7 MX43.2
Net-(D44-A): length 7.9
  Bottom w0.25: D44.2 190.25,33.65 MX44.2
Net-(D45-A): length 7.9
  Bottom w0.25: MX45.2 290.26,14.6 D45.2
Net-(D46-A): length 7.9
  Bottom w0.25: D46.2 185.48,90.8 MX46.2
Net-(D47-A): length 7.9
  Bottom w0.25: MX47.2 194.94,71.75 199.17,67.53 D47.2
Net-(D48-A): length 7.8
  Bottom w0.25: D48.2 199.67,54.58 MX48.2
Net-(D49-A): length 7.9
  Bottom w0.25: D49.2 209.3,33.65 MX49.2
Net-(D50-A): length 8
  Bottom w0.25: MX50.2 310.04,14.6 312.74,11.91 D50.2
Net-(D51-A): length 7.9
  Bottom w0.25: MX51.2 204.53,90.8 D51.2
Net-(D52-A): length 7.9
  Bottom w0.25: D52.2 214.06,71.75 MX52.2
Net-(D53-A): length 7.9
  Bottom w0.25: D53.2 218.82,52.7 MX53.2
Net-(D54-A): length 7.9
  Bottom w0.25: D54.2 228.35,33.65 MX54.2
Net-(D55-A): length 7.9
  Bottom w0.25: D55.2 223.52,90.8 MX55.2
Net-(D56-A): length 7.9
  Bottom w0.25: MX56.2 233.11,71.75 D56.2
Net-(D57-A): length 7.9
  Bottom w0.25: D57.2 237.87,52.7 MX57.2
Net-(D58-A): length 19.8
  Bottom w0.25: D58.2 271.21,33.65 MX58.2
Net-(D59-A): length 7.9
  Bottom w0.25: MX59.2 242.57,90.8 D59.2
Net-(D60-A): length 7.9
  Bottom w0.25: D60.2 252.16,71.75 MX60.2
Net-(D61-A): length 26.9
  Bottom w0.25: D61.2 280.83,57.78 MX74.2 275.57,62.23 270.01,56.67 ; 266.7,52.86 MX61.2 270.01,55.86 270.01,56.67 ; 270.01,56.67 271.58,58.24
Net-(D62-A): length 8
  Bottom w0.25: MX62.2 290.32,33.65 294.48,29.5 D62.2
Net-(D63-A): length 5
  Bottom w0.25: MX63.2 272.75,90.8 D63.2
Net-(D64-A): length 46.1
  Top w0.25: v1(262.54,63.51) v1(262.54,64.96)
  Bottom w0.25: MX75.2 262.54,60.29 v1(262.54,63.51) ; D64.2 284.16,68.44 280.85,71.75 MX64.2 262.54,71.75 v1(262.54,64.96)
Net-(D65-A): length 7.9
  Bottom w0.25: D65.2 312.74,49.72 309.75,52.7 MX65.2
Net-(D66-A): length 8
  Bottom w0.25: D66.2 312.74,30.96 310.04,33.65 MX66.2
Net-(D67-A): length 7.8
  Bottom w0.25: D67.2 312.71,87.73 309.63,90.8 MX67.2
Net-(D68-A): length 7.6
  Bottom w0.25: MX68.2 309.37,71.75 312.74,68.39 D68.2
Net-(U1-UCAP): length 5.1
  Bottom w0.25: C6.1 106.24,4.38 U1.6
Net-(U1-XTAL1): length 6.6
  Bottom w0.25: C3.2 97.11,14.26 Y1.1 97.54,13.65 U1.17
Net-(U1-XTAL2): length 15.4
  Bottom w0.25: C4.2 92.6,11.02 Y1.3 95.41,7.97 98.2,7.97 98.2,11.98 99.08,12.85 U1.16
Net-(U1-~{HWB}/PE2): length 2.4
  Bottom w0.25: R4.1 111.01,20.12 U1.33
Net-(U1-~{RESET}): length 26.3
  Top w0.25: v1(99.32,6.34) 99.22,6.45 89.19,6.45 86.52,9.11 v1(84.23,9.11)
  Bottom w0.25: SW1.2 82.96,9.11 v1(84.23,9.11) ; R3.2 99.32,4.24 v1(99.32,6.34) 99.32,10.25 99.53,10.45 U1.13

## Copper pours and planes (outline as drawn; the poured copper is in the pictures)
GND on Top: 313.85,0.6 0.67,0.6 0.67,94.58 313.72,94.71
GND on Bottom: 110.78,9.11 101.63,9.11 101.63,18.26 110.78,18.26
GND on Bottom: 183.86,75.12 180.05,75.12 180.05,80.71 183.86,80.71
GND on Bottom: 98.46,7.08 90.07,7.08 90.07,17.24 98.46,17.24
GND on Bottom: 313.85,0.6 0.67,0.6 0.67,94.58 313.72,94.71

## Text on the board
Top: 1 | Early, not yet tested version 0.1 | WD66 by 11Customs | 11.26.2022
F.Silkscreen: Designed by GAN!A | WD66 1st batch proto
